# Altium PCB PCB2.PcbDoc
Units mil, origin at the board's own origin, x right, y up, seen from the top; angles counter-clockwise.
Board outline 3945.03 x 2265.03 mil, 2 copper layers (Top Layer, Bottom Layer); 107 components, 109 nets, 431 pads, 182 vias.
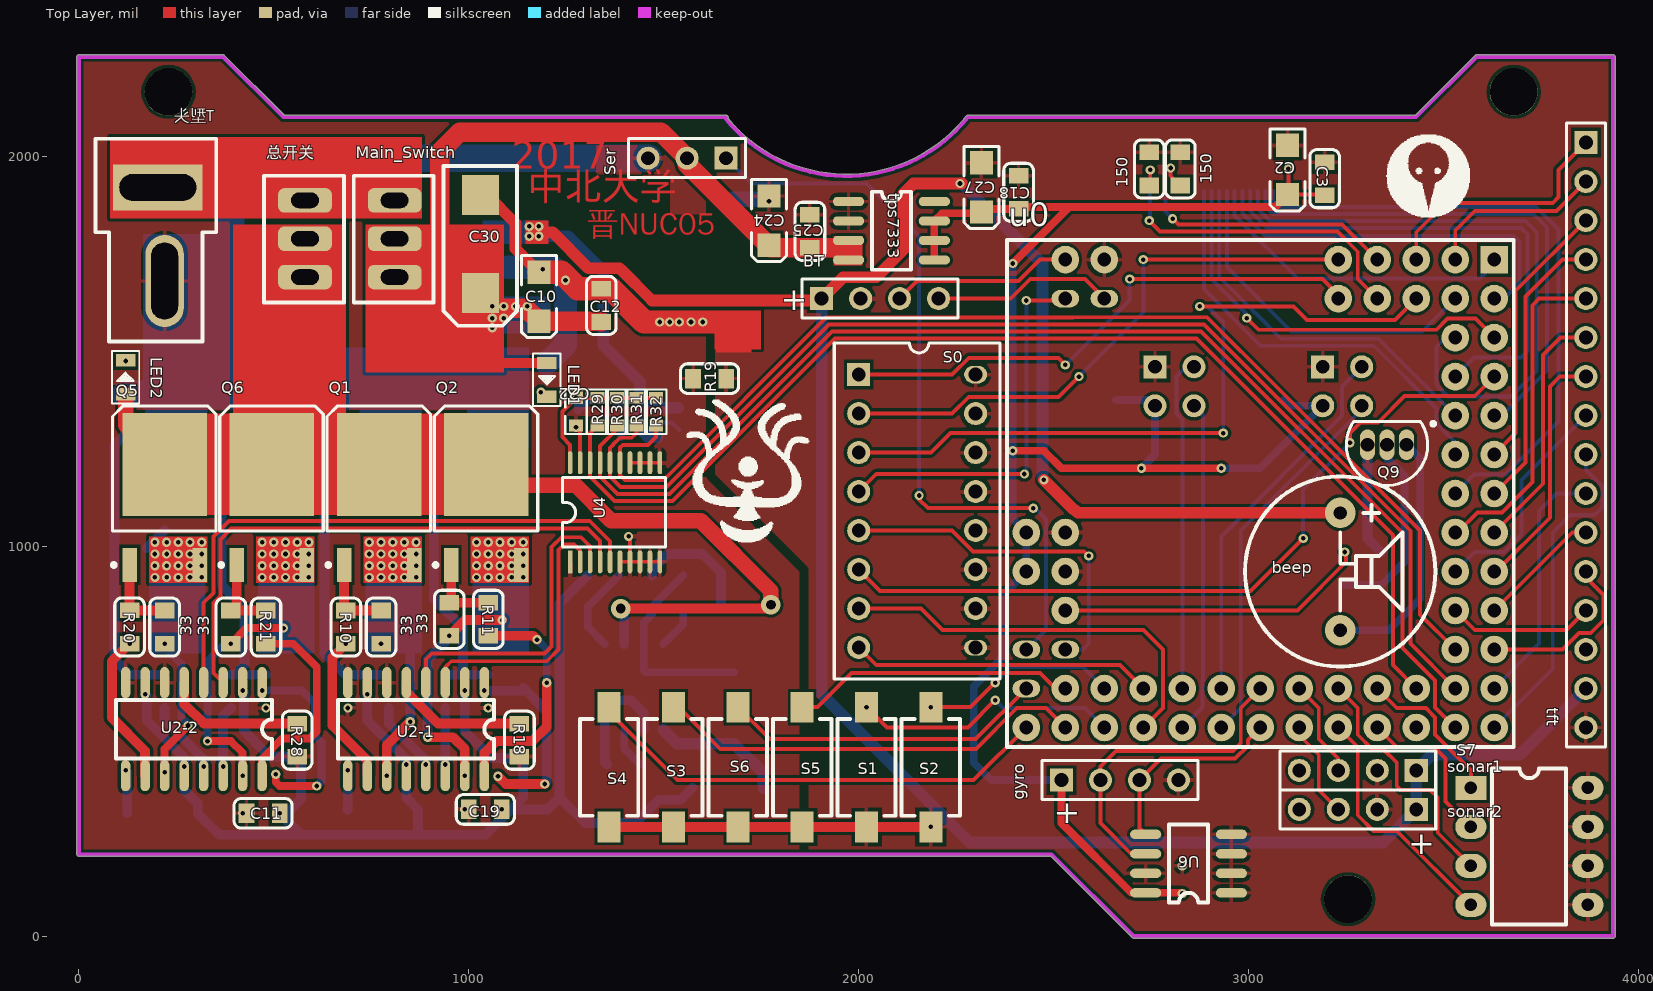
[diagram p0: Top Layer view]
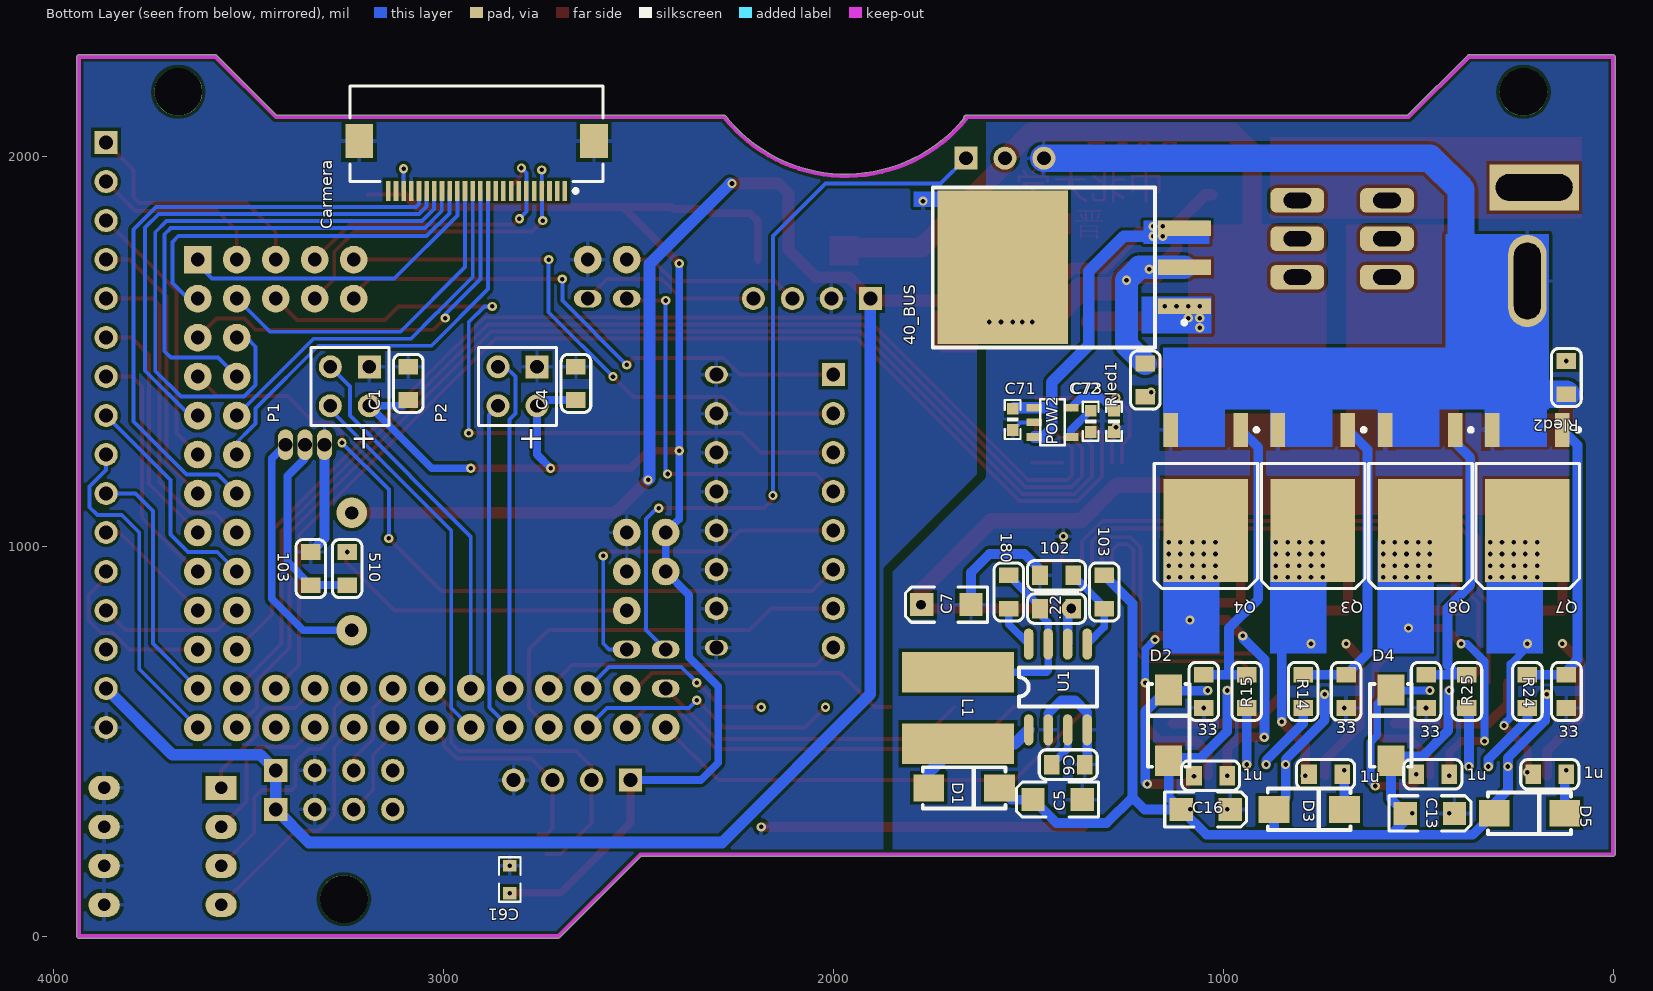
[diagram p1: Bottom Layer view, seen from below]

## Layer stack, top to bottom
Top Solder: solder mask 0.4, Solder Resist, Dk 3.5
Top Layer: signal copper 1.4
Dielectric 1: dielectric 12.6, FR-4, Dk 4.8
Bottom Layer: signal copper 1.4
Bottom Solder: solder mask 0.4, Solder Resist, Dk 3.5

## Board outline
0,204.99 cw(c0,210) -5.01,210 -5.01,2255 cw(c0,2255) 0,2260.02 370,2260.02 cw(c370,2255) 373.56,2258.53 373.55,2258.55 527.08,2105.02 1660.02,2105.02 cw(c1660.02,2100) 1665.03,2100 cw(c1660.02,2100) 1664.39,2097.55 ccw(c1967.99,2347.28) 2276.05,2103.09 ccw(c1967.99,2347.28) 2276.07,2103.11 2276.05,2103.09 cw(c2280,2100) 2280,2105.02 3427.92,2105.02 3581.45,2258.55 3581.44,2258.53 cw(c3585,2255) 3585,2260.02 3935,2260.02 cw(c3935,2255) 3940.02,2255 3940.02,0 cw(c3935,0) 3935,-5.01 2705,-5.01 cw(c2705,0) 2701.44,-3.53 2701.45,-3.55 2492.92,204.99

## Design rules (kind name [scope] priority, off if disabled: settings)
Clearance [All] p1: gap=8
PolygonConnect [All] p1: connectstyle=Relief reliefconductorwidth=10 reliefentries=4 polygonreliefangle="90 Angle" airgapwidth=10
RoutingVias [All] p1: holewidth=28 width=50 viastyle="Through Hole" minholewidth=28 minwidth=50 maxholewidth=28 maxwidth=50
SolderMaskExpansion [All] p1: expansion=4
Width [All] p1: maxlimit=200 minlimit=10 preferedwidth=20
30 further rules are at their usual default settings.

## Classes and differential pairs
component class Sheet1: 1u 33 40_BUS 102 103 150 180 510 .22 beep BT C1 C2 C3 C4 C5 C6 C7 C10 C11 C12 C13 C16 C18 C19 C22 C24 C25 C27 C30 C61 C71 C72 C73 Carmera D1 D2 D3 D4 D5 gyro L1 LED1 LED2 Main_Switch P1 P2 POW2 Q1 Q2 Q3 Q4 Q5 Q6 Q7 Q8 Q9 R10 R11 R14 R15 R18 R19 R20 R21 R24 R25 R28 R29 R30 R31 R32 Rled1 Rled2 S0 S1 S2 S3 S4 S5 S6 S7 Ser sonar1 sonar2 tft tps7333 T型头 u0 U1 U2-1 U2-2 U4 U6 总开关

## Components (designator, comment, footprint, x,y, rotation, side; value= is the part's Value field where it differs from the comment)
1u "Cap" 0805-0C 990,411.5 r0 bottom (schematic designator C14)
1u "Cap" 0805-0C 780,415 r180 bottom (schematic designator C15)
1u "Cap" 0805-0C 420,415 r0 bottom (schematic designator C20)
1u "Cap" 0805-0C 205,415 r180 bottom (schematic designator C21)
33 "Res1" 0805-0R 775,750 r90 top (schematic designator R12)
33 "Res1" 0805-0R 950,770 r90 top (schematic designator R13)
33 "Res1" 0805-0R 685,585 r90 bottom (schematic designator R16)
33 "Res1" 0805-0R 1050,585 r90 bottom (schematic designator R17)
33 "Res1" 0805-0R 220,750 r90 top (schematic designator R22)
33 "Res1" 0805-0R 390,750 r90 top (schematic designator R23)
33 "Res1" 0805-0R 120,585 r90 bottom (schematic designator R26)
33 "Res1" 0805-0R 480,585 r90 bottom (schematic designator R27)
40_BUS "LM2940" TO-263-3 1345,1715 r0 bottom
102 "1.2k" 0805-0R 1470,925 r180 bottom (schematic designator R8)
103 "10k" 0805-0r 3340,985 r270 bottom (schematic designator R5)
103 "10k" 0805-0R 1305,925 r270 bottom (schematic designator R7)
150 "150" 0805-0R 2745,1925 r90 top (schematic designator R3)
150 "150" 0805-0R 2825,1925 r90 top (schematic designator R6)
180 "180R" 0805-0R 1550,840 r90 bottom (schematic designator R4)
510 "510" 0805-0R 3246.77,985.13 r270 bottom (schematic designator R1)
.22 "0.22R" 0805-0R 1385,840 r0 bottom (schematic designator R2)
beep "Bell" bell 3235,935 r270 top
BT "bluetootl" HDR1X4 1905,1635 r0 top
C1 "Cap" 0805-0C 3090,1375 r90 bottom
C2 "" 3216-A-TA 3100,1965 r270 top
C3 "Cap" 0805-0C 3195,1985 r270 top
C4 "Cap" 0805-0C 2660,1375 r90 bottom
C5 "" 3216-A-TA 1425,350 r0 bottom
C6 "104" 0805-0C 1440,440 r180 bottom
C7 "" 3216-A-TA 1710,850 r0 bottom
C10 "" 3216-A-TA 1180,1640 r270 top
C11 "104" 0805-0C 430,315 r0 top
C12 "Cap" 0805-0C 1340,1660 r270 top
C13 "10uF" 3216-A-TA 470,315 r180 bottom
C16 "10uF" 3216-A-TA 1045,325 r180 bottom
C18 "Cap" 0805-0C 2410,1950 r270 top
C19 "104" 0805-0C 1000,325 r0 top
C22 "100nF" 0603C 1275,1345 r90 top
C24 "10uF" 3216-A-TA 1770,1835 r270 top
C25 "Cap" 0805-0C 1875,1849.9 r270 top
C27 "10uF" 3216-A-TA 2315,1920 r270 top
C30 "Cap Pol" C7343 1030,1775 r90 top
C61 "104" 0603C 2830,145 r270 bottom
C71 "104" 0603P 1540,1325 r90 bottom
C72 "470p" 0603P 1340,1320 r90 bottom
C73 "105" 0603P 1280,1320 r90 bottom
Carmera "CL586-0555-2" FH12A-24S-0.5SH 2915,1975 r0 bottom
D1 "D Schottky" DO-214 1755,380 r180 bottom
D2 "D Schottky" DO-214 1140,450 r90 bottom
D3 "D Schottky" DO-214 870,325 r180 bottom
D4 "D Schottky" DO-214 570,450 r90 bottom
D5 "D Schottky" DO-214 305,315 r180 bottom
gyro "Header 4" HDR1X4 2520,400 r0 top
L1 "Inductor" L7X7 1680,585 r270 bottom
LED1 "LED" 0805LED2 1200,1470 r270 top
LED2 "LED" 0805LED2 120,1390 r90 top
Main_Switch "开关" 乒乓开关5mm 810,1690 r90 top
P1 "Header 2X2" HDR2X2 3190,1460 r0 bottom
P2 "Header 2X2" HDR2X2 2760,1460 r0 bottom
POW2 "MIC-5219" sot23-5 1485,1355 r90 bottom
Q1 "MOSFET-N" to252 770,1125 r90 top
Q2 "MOSFET-N" to252 1045,1125 r90 top
Q3 "MOSFET-N" to252 770,1125 r270 bottom
Q4 "MOSFET-N" to252 1045,1125 r270 bottom
Q5 "MOSFET-N" to252 220,1125 r90 top
Q6 "MOSFET-N" to252 495,1125 r90 top
Q7 "MOSFET-N" to252 220,1125 r270 bottom
Q8 "MOSFET-N" to252 495,1125 r270 bottom
Q9 "NPN" TO-226-AA 3355,1260 r90 top
R10 "Res1" 0805-0R 685,835 r270 top
R11 "Res1" 0805-0R 1050,770 r90 top
R14 "Res1" 0805-0R 795,670 r270 bottom
R15 "Res1" 0805-0R 940,585 r90 bottom
R18 "Res1" 0805-0R 1130,545 r270 top
R19 "Res" 0805-0R 1575,1430 r0 top
R20 "Res1" 0805-0R 130.24,835.24 r270 top
R21 "Res1" 0805-0R 480,750 r90 top
R24 "Res1" 0805-0R 220,670 r270 bottom
R25 "Res1" 0805-0R 375,585 r90 bottom
R28 "Res1" 0805-0R 560,545 r270 top
R29 "Res2" 0603R 1330,1345 r270 top
R30 "Res2" 0603R 1380,1345 r270 top
R31 "Res2" 0603R 1430,1345 r270 top
R32 "Res2" 0603R 1480,1345 r270 top
Rled1 "4.7k" 0805-0R 1200,1383.39 r90 bottom
Rled2 "4.7k" 0805-0R 120,1475 r270 bottom
S0 "SW DIP-8" SW-DIP8 2000,1440 r270 top
S1 "Header 2" SW-SMD1 2020,280 r90 top
S2 "Header 2" SW-SMD1 2185,280 r90 top
S3 "Header 2" SW-SMD1 1525,280 r90 top
S4 "Header 2" SW-SMD1 1360,280 r90 top
S5 "Header 2" SW-SMD1 1855,280 r90 top
S6 "Header 2" SW-SMD1 1690,280 r90 top
S7 "SW DIP-4" DIP-8 3520,380 r0 top
Ser "Header 3" HDR1X3 1660,1995 r180 top
sonar1 "Header 4" HDR1X4 3430,425 r180 top
sonar2 "Header 4" HDR1X4 3430,325 r180 top
tft "HEAD1*16" HDR1X16 3865,2035 r270 top
tps7333 "TPS7333" sop8 1975,1885 r0 top
T型头 "Header 2" "T HEAD" 220,1680 r90 top
u0 "Component_1" K60_100 3630,1735 r270 top
U1 "MC34063" sop8 1500,530 r90 bottom
U2-1 "HIP4082" SOP-16 1040,650 r270 top
U2-2 "HIP4082" SOP-16 470,650 r270 top
U4 "74lvc245" TSSOP20 1260,960 r90 top
U6 "24C02" SOP8 2955,110 r180 top
总开关 "*" 乒乓开关5mm 580,1690 r90 top

## Footprints (in the part's own frame and the unit in brackets; to place one, negate y for a bottom-side part, rotate by r counter-clockwise, add the part's x,y. Pads: shape width x height; smd on the part's side, far side on the other; paste and mask are expansions set on the pad)
0603C [mm]
  rect 0.762x0.9 smd: 1(-0.9,0)
  rect 0.8x0.9 smd: 2(0.9,0)
  silkscreen extent -1.45,-0.7 1.45,0.7, body extent -0.8,-0.4 0.8,0.4, height 0.3
0603P [mil]
  rect 30x30 smd: 1(-27,0) 2(27.5,-0.06)
  silkscreen extent -50,-20 50,20
0603R [mm]
  rect 0.762x0.9 smd: 1(-0.9,0)
  rect 0.8x0.9 smd: 2(0.9,0)
  silkscreen extent -1.45,-0.7 1.45,0.7, body extent -0.85,-0.4 0.85,0.4, height 0.56
0805-0C [mil]
  rect 40x50 smd: 1(0,0) 2(85,0)
  silkscreen extent -32,-38 117,38, body extent 3,-25 82,25, height 30
0805-0R [mil]
  rect 40x50 smd: 1(0,0) 2(85,0)
  silkscreen extent -32,-38 117,38, body extent 3,-25 82,25, height 30
0805-0r [mil]
  rect 40x50 smd: 1(0,0) 2(85,0)
  silkscreen extent -32,-38 117,38, body extent 3,-25 82,25, height 30
0805LED2 [mm]
  rect 0.8x1.27 smd: 1(0,0) 2(2.2,0)
  silkscreen extent -0.6,-0.89 2.8,0.89, body extent 0.09,-0.62 2.11,0.64, height 1.1
3216-A-TA [mm]
  rect 1.524x1.5 smd: 1(1.6,0) 2(-1.6,0)
  silkscreen extent -2.67,-1.14 2.67,1.14, body extent -1.7,-0.79 1.7,0.89, height 1.71
bell [mm]
  round 2 hole 0.85: 1(-3.825,0) 2(3.825,0)
  silkscreen extent -6.2,-6.2 6.2,6.2, body extent -9.71,-6.13 5.75,5.87, height 9.65
C7343 [mm] "D型"
  rect 2.6x2.4 smd: 1(-3.202,0.007) 2(3.198,0.007)
  silkscreen extent -5.33,-2.39 5.08,2.41, body extent -3.65,-2.12 3.65,2.18, height 2.9
DIP-8 [mil]
  rect 80x62 / inner rect 100x50 / far side rect 80x62 hole 32: 1(50,0)
  oval 80x62 / inner oval 100x50 / far side oval 80x62 hole 32: 2(50,-100) 3(50,-200) 4(50,-300) 5(350,-300) 6(350,-200) 7(350,-100) 8(350,0)
  silkscreen extent 104,-350 294,50, body extent 37,-334 360,30, height 148
DO-214 [mm]
  rect 2x1.75 smd: 1(0,0) 2(4.6,0)
  silkscreen extent -0.4,-1.35 5,1.35, body extent -0.2,-1.34 4.91,1.33, height 2.12
FH12A-24S-0.5SH [mm]
  rect 0.3x1.3 smd: 1(-5.75,1.625) 2(-5.25,1.625) 3(-4.75,1.625) 4(-4.25,1.625) 5(-3.75,1.625) 6(-3.25,1.625) 7(-2.75,1.625) 8(-2.25,1.625) 9(-1.75,1.625) 10(-1.25,1.625) 11(-0.75,1.625) 12(-0.25,1.625) 13(0.25,1.625) 14(0.75,1.625) 15(1.25,1.625) 16(1.75,1.625) 17(2.25,1.625) 18(2.75,1.625) 19(3.25,1.625) 20(3.75,1.625) 21(4.25,1.625) 22(4.75,1.625) 23(5.25,1.625) 24(5.75,1.625)
  rect 1.8x2.2 smd: 25(-7.65,-1.625) 26(7.65,-1.625)
  silkscreen extent -8.25,-5.2 8.25,1.75
HDR1X3 [mm] "Connector; Header; 3 Position"
  rect 1.5x1.5 hole 0.9: 1(0,0)
  round 1.5 hole 0.9: 2(2.54,0) 3(5.08,0)
  silkscreen extent -1.27,-1.27 6.35,1.27, body extent -1.27,-1.32 6.35,1.22, height 8.54
HDR1X4 [mm] "Connector; Header; 4 Position"
  rect 1.5x1.5 hole 0.9: 1(0,0)
  round 1.5 hole 0.9: 2(2.54,0) 3(5.08,0) 4(7.62,0)
  silkscreen extent -1.27,-1.27 8.89,1.27, body extent -1.26,-1.27 8.9,1.27, height 8.54
HDR1X16 [mm] "Connector; Header; 16 Position"
  rect 1.5x1.5 hole 0.9: 1(0,0)
  round 1.5 hole 0.9: 2(2.54,0) 3(5.08,0) 4(7.62,0) 5(10.16,0) 6(12.7,0) 7(15.24,0) 8(17.78,0) 9(20.32,0) 10(22.86,0) 11(25.4,0) 12(27.94,0) 13(30.48,0) 14(33.02,0) 15(35.56,0) 16(38.1,0)
  silkscreen extent -1.27,-1.27 39.37,1.27, body extent -1.27,-1.27 39.37,1.27, height 8.54
HDR2X2 [mm] "Connector; Header; 2x2 Position"
  rect 1.5x1.5 hole 0.9: 1(0,0)
  round 1.5 hole 0.9: 2(0,2.54) 3(2.54,0) 4(2.54,2.54)
  silkscreen extent -1.27,-1.27 3.81,3.81
K60_100 [mm]
  round 1.8 hole 0.9: 3.3V(17.78,-30.48) 3.3V(20.32,-30.48) A5(22.86,-27.94) A15(27.94,-27.94) A16(30.48,-30.48) A17(30.48,-27.94) A19(27.94,-22.86) B0(27.94,-25.4) B1(30.48,-25.4) B2(27.94,-20.32) B3(30.48,-22.86) B9(27.94,-17.78) B10(30.48,-20.32) B11(30.48,-17.78) B16(27.94,-15.24) B17(30.48,-15.24) B18(27.94,-12.7) B19(30.48,-12.7) B20(30.48,-10.16) B21(27.94,-10.16) B22(30.48,-7.62) B23(27.94,-7.62) C0(30.48,-5.08) C1(27.94,-5.08) C2(30.48,-2.54) C3(27.94,-2.54) C4(25.4,-2.54) C5(22.86,-2.54) C6(25.4,0) C7(22.86,0) C8(27.94,0) C9(30.48,0) C10(20.32,-2.54) C11(20.32,0) C12(17.78,0) C13(17.78,-2.54) C14(15.24,0) C15(12.7,0) C16(15.24,-2.54) C17(10.16,0) C18(7.62,0) D0(12.7,-2.54) D1(5.08,0) D2(10.16,-2.54) D3(2.54,-2.54) D5(2.54,0) D6(7.62,-2.54) D7(5.08,-2.54) E0(0,-2.54) E1(2.54,-5.08) E2(0,-5.08) E3(2.54,-7.62) E4(0,-7.62) E5(2.54,-10.16) E6(0,-10.16) E25(0,-27.94) GND(0,-25.4) GND(17.78,-27.94) GND(20.32,-27.94)
  oval 1.143x1.8 hole 0.9: A12(25.4,-30.48) A13(25.4,-27.94) A14(27.94,-30.48) E24(2.54,-25.4) E26(2.54,-27.94)
  rect 1.8x1.8 hole 0.9: D4(0,0)
  silkscreen extent -1.27,-31.75 31.75,1.27
L7X7 [mm] "POWER INDUCTOR 5uH"
  rect 2.65x7.3 smd: 1(-2.325,0) 2(2.325,0)
  body extent -3.36,-3.33 3.34,3.37, height 2.9
sop8 [mil]
  oval 80x24 smd: 1(-1,-1) 2(-1,-51) 3(-1,-101) 4(-1,-151) 5(219,-151) 6(219,-101) 7(219,-51) 8(219,-1)
  silkscreen extent 59,-176 159,24, body extent -9,-174 229,24, height 63
SOP8 [mil]
  oval 80x24 smd: 1(-1,-1) 2(-1,-51) 3(-1,-101) 4(-1,-151) 5(219,-151) 6(219,-101) 7(219,-51) 8(219,-1)
  silkscreen extent 59,-176 159,24, body extent -9,-174 229,24, height 63
SOP-16 [mil]
  oval 80x24 smd: 1(0,0) 2(0,-50) 3(0,-100) 4(0,-150) 5(0,-200) 6(0,-250) 7(0,-300) 8(0,-350) 9(238.5,-350) 10(238.5,-300) 11(238.5,-250) 12(238.5,-200) 13(238.5,-150) 14(238.5,-100) 15(238.5,-50) 16(238.5,0)
  silkscreen extent 44,-375 194,25
sot23-5 [mm]
  rect 0.5x1 smd: 1(0,0) 2(-0.95,0) 3(-1.9,0) 4(-1.9,-2.4) 5(0,-2.4)
  silkscreen extent -2.45,-2 0.55,-0.4, body extent -2.4,-2.6 0.5,0.2, height 1.09
SW-DIP8 [mm] "DIP; 16 Leads; Row Spacing 7.62 mm; Pitch 2.54 mm"
  rect 1.5x1.5 hole 0.9: 1(0,0)
  round 1.5 hole 0.9: 2(2.54,0) 3(5.08,0) 4(7.62,0) 5(10.16,0) 6(12.7,0) 7(15.24,0) 8(17.78,0) 10(15.24,7.62) 11(12.7,7.62) 12(10.16,7.62) 13(7.62,7.62) 14(5.08,7.62) 15(2.54,7.62)
  oval 1.016x1.5 hole 0.9: 9(17.78,7.62)
  oval 1.143x1.5 hole 0.9: 16(0,7.62)
  silkscreen extent -2.05,-1.59 19.83,9.2, body extent -2.29,-1.08 20.21,8.7, height 8.25
SW-SMD1 [mm]
  rect 2x1.5 smd: 1(0,0) 2(7.8,0)
  silkscreen extent 0.73,-1.9 7.03,1.9, body extent -0.06,-1.94 7.83,1.91, height 2.5
"T HEAD" [mm]
  oval 6x2.5 hole 1.75 slot 5 at 0 deg: 1(0,0)
  rect 3x5.8 hole 1.75 slot 5 at 90 deg: 2(6.096,0.446)
  silkscreen extent -3.94,-3.36 9.27,4.51
to252 [mm] "D-PAK  / SOT-428"
  rect 2.2x0.95 smd: 1(-4.4,2.28) 3(-4.4,-2.28)
  rect 6.7x5.5 smd: 2(2.15,0)
  silkscreen extent -4.52,-3.35 5.94,3.43, body extent -4.47,-3.3 4.78,3.3, height 2.31
TO-226-AA [mm] "TO, Flat Index; 3 In-Line, Axial Leads; Body Dia. 4.8mm; Leads 0.55 x 0.51 mm (max)"
  oval 2x1 hole 0.9: 1(0,-1.27) 2(0,0) 3(0,1.27)
  silkscreen extent -2.65,-3.13 1.52,2.65, body extent -2.66,-2.66 1.52,2.66, height 5.33
TO-263-3 [mm] "D2PAK936"
  rect 3.45x1 smd: 1(-6.225,2.54) 2(-6.225,0) 3(-6.225,-2.54)
  rect 8.5x10 smd: 2(5.588,0)
  silkscreen extent -6.35,-5.21 10.16,5.21, body extent -6.82,-5.05 8.85,4.95, height 4.88
TSSOP20 [mm]
  rect 1.5x0.3 smd: 1(0,0)
  oval 1.5x0.3 smd: 2(0,-0.65) 3(0,-1.3) 4(0,-1.95) 5(0,-2.6) 6(0,-3.25) 7(0,-3.9) 8(0,-4.55) 9(0,-5.2) 10(0,-5.85) 11(6.454,-5.85) 12(6.454,-5.2) 13(6.454,-4.55) 14(6.454,-3.9) 15(6.454,-3.25) 16(6.454,-2.6) 17(6.454,-1.95) 18(6.454,-1.3) 19(6.454,-0.65) 20(6.454,0)
  silkscreen extent 0.97,-6.2 5.49,0.51, body extent -0.05,-6.22 6.5,0.38, height 1.2
乒乓开关5mm [mm]
  rrect50% 1.6x3.5 hole 1 slot 1.8 at 90 deg: 1(5,0) 2(2.5,0) 3(0,0)
  silkscreen extent -1.65,-2.54 6.6,2.67

## Part data
1u 1u 1u 1u C1 C3 C4 C12 C18 C25: "Capacitor"
33 33 33 33 33 33 33 33 R10 R11 R14 R15 R18 R19 R20 R21 R24 R25 R28 R29 R30 R31 R32: "Resistor"
102 103 180 .22: library part RES
103 150 150 510 Rled1 Rled2: library part Res
beep: "Electrical Bell"
BT: library part USB, "4 Pin Header"
C2 C5 C7 C10 C30: library part Cap, "Polarized Capacitor (Radial)"
C6: library part 普通电容, "Capacitor"
C11 C13 C16 C19 C71 C72 C73: library part C
C22 C61: library part Cap, "Capacitor"
C24 C27: library part C, "有极性电容"
Carmera: "FH12 Series, \"Flip-Lock\" SMT/ZIF FFC/FPC Connector - 0.5mm Spaced Top Contact"
D1 D2 D3 D4 D5: "Schottky Diode"
gyro sonar1 sonar2: "Header, 4-Pin"
LED1 LED2: "发光二极管"
Main_Switch 总开关: library part 乒乓开关
P1 P2: "Header, 2-Pin, Dual row"
Q1 Q2 Q3 Q4 Q5 Q6 Q7 Q8: "N-Channel MOSFET"
Q9: "NPN Bipolar Transistor"
S0 S7: "DIP Switch"
S1 S2 S3 S4 S5 S6 T型头: "Header, 2-Pin"
Ser: "Header, 3-Pin"
tft: library part "Header 16", "Header, 16-Pin"
U1 U2-1 U2-2: library part Component_1
U6: library part 24C256

## Free pads (board coordinates)
  round 122.05 hole 122.05: 0(230,2165) 0(3255,95) 0(3680,2165)

## Via types
v1: diameter 23.62, hole 11.81, Top Layer to Bottom Layer, 180 vias
v2: diameter 50, hole 25, Top Layer to Bottom Layer, 2 vias

## Nets (pads, with @x,y where several pads share a name; then routed paths per layer and width w, separated by ;. In a path a pad name is that pad's centre, name@x,y a point inside that pad or via, vN(x,y) a via of type N, cw(c..) or ccw(c..) an arc to the next point about the centre after c; other vN are vias at no path point)
3.3V_BUS: C22.2 C73.2 POW2.5 R29.1 R30.1 R31.1 R32.1 U4.20 | length 567.6
  Top Layer w10: U4.20 1260,1260 1240,1280 1240,1345.43 v1(1275,1380.43) R29.1 R30.1 R31.1 R32.1
  Bottom Layer w20: v1(1275,1380.43) 1279.94,1375.5 C73.2 1317.44,1385 1360.51,1385 POW2.5
3.3V_MCU_IN: C1.1 C2.1 C3.2 C4.1 C18.2 C27.1 C61.2 Carmera.22 gyro.1 P1.2 P2.2 tps7333.5 tps7333.6 tps7333.7 u0.3.3V U6.8 | length 4817.3
  Top Layer w10: v1(3102.01,1967.99) 3102.01,1904.01 C2.1 3192.99,1902.01 C3.2
  Top Layer w20: tps7333.5 tps7333.6 tps7333.7 2214,1854 2311.99,1854 C27.1 2322.99,1865 C18.2 2415,1870 2540,1870 ; v1(2395,1245) 2475,1245 2520,1200 v1(2725,1200) v1(2930,1200) ; v1(2395,1725) 2540,1870 ; gyro.1 2520,290 2699,111 U6.8 2828.57,111 v1(2830,109.57) ; C2.1 3067.99,1870 2540,1870
  Bottom Layer w10: v1@3100,1970 v1(3102.01,1967.99) Carmera.22
  Bottom Layer w20: v1(2395,1725) 2395,1070 2430,1035 2430,935 2370,875 2370,715 2295,640 2295,445 2340,400 gyro.1 ; C4.1 2745,1375 P2.2 2760,1235 v1(2725,1200) ; v1(2930,1200) 3030,1200 P1.2 3105,1360 C1.1
5V_BUS: 40_BUS.3 beep.1 BT.1 C71.2 POW2.1 POW2.3 sonar1.1 sonar2.1 tft.15 | length 7179.6
  Top Layer w30: 1165,1805 1215,1805 1307,1713 1386.64,1713 1389.64,1710 1390,1710 1470,1630 1900,1630 BT.1 1960,1690 2045,1690 2115,1760 2115,1905 2140,1930 v1@2265,1930 ; v1(2475,1170) 2551.57,1093.43 2554.2,1093.43 2562.05,1085.59 beep.1
  Bottom Layer w30: v1(1180,1795) 1255,1795 1345,1705 1345,1515 1440,1420 1440,1345 ; POW2.3 1459.8,1280.2 1440,1300 1440,1345 ; C71.2@1537.44,1355 POW2.1 1450,1355 1440,1345 ; BT.1 1905,620 2285,240 3345,240 sonar2.1 sonar1.1 3470,465 3695,465 tft.15 ; v1@2265,1930 2471.57,1723.43 2471.57,1173.43 v1(2475,1170)
  other v1: 1155,1795 1155,1820 1180,1820 2260,1930
BATTERY7.2: Main_Switch.1 T型头.2 总开关.1
D0: Carmera.11 u0.D0 | length 1129.2
  Bottom Layer w10: Carmera.11 2885.47,1659.44 3030.91,1514 3321,1514 3481.57,1353.43 3481.57,1314.94 3541.51,1255 3530,1255 u0.D0
D1: Carmera.12 u0.D1 | length 1042.5
  Top Layer w10: v1(2995,1585) 3025,1555 3481.51,1555 3509.94,1583.43 3581.57,1583.43 u0.D1
  Bottom Layer w10: Carmera.12 2905.16,1684.84 2995,1595 v1(2995,1585)
D2: Carmera.13 u0.D2 | length 973.1
  Bottom Layer w10: Carmera.13 2924.84,1690.61 3013,1602.46 3013,1602.09 3019.81,1595.28 3019.81,1595.19 3083,1532 3333,1532 u0.D2
D3: Carmera.14 u0.D3 | length 884.8
  Bottom Layer w10: Carmera.14 2944.53,1715.47 3110,1550 3445,1550 u0.D3
D4: Carmera.15 u0.D4 | length 822.4
  Bottom Layer w10: Carmera.15 2964.21,1848.51 3126.15,1686.57 3593.43,1686.57 3630,1723.13 u0.D4
D5: Carmera.16 u0.D5 | length 985.2
  Bottom Layer w10: Carmera.16 2984.68,1910.24 2984.68,1853.5 3043.18,1795 3680,1795 3695,1780 3695,1675 3655,1635 u0.D5
D6: Carmera.17 u0.D6 | length 1299.8
  Bottom Layer w10: Carmera.17 3004.36,1910.24 3004.36,1859.27 3047.63,1816 3700,1816 3700,1815 3715,1800 3715,1500 3698.43,1483.43 3578.43,1483.43 u0.D6
D7: Carmera.18 u0.D7 | length 1595.2
  Bottom Layer w10: Carmera.18 3024.05,1910.24 3024.05,1865.04 3055.09,1834 3710,1834 3739,1805 3739,1449.46 3672.98,1383.43 3511.57,1383.43 3481.57,1413.43 3481.57,1511.57 3505,1535 u0.D7
DB0: tft.10 u0.C8 | length 641.3
  Bottom Layer w10: u0.C8 3745,750 3745,1090 3790,1135 tft.10
DB1: tft.9 u0.C9 | length 869.2
  Bottom Layer w10: u0.C9 3780,685 3780,1035 3825,1080 3887.6,1080 3907.53,1099.93 3907.53,1152.62 3865,1195.14 tft.9
DB2: tft.8 u0.C10 | length 582.7
  Bottom Layer w10: u0.C10 3580,985 3655,985 3700,1030 3700,1170 tft.8
DB3: tft.7 u0.C11 | length 634.5
  Top Layer w10: u0.C11@3635,935 3773,1073 3773,1410 3798,1435 tft.7
DB4: tft.6 u0.C12 | length 635.4
  Top Layer w10: u0.C12 3755,1160 3755,1490 3800,1535 tft.6
DB5: tft.5 u0.C13 | length 849.2
  Top Layer w10: u0.C13 3535,1035 3586.57,1086.57 3650.06,1086.57 3728,1164.51 3728,1618 3745,1635 tft.5
DB6: tft.4 u0.C14 | length 732.5
  Top Layer w10: u0.C14 3710,1215 3710,1640 3805,1735 tft.4
DB7: tft.3 u0.C15 | length 697.3
  Top Layer w10: u0.C15 3685,1290 3685,1655 tft.3
GE1: U2-1.3 U4.2 | length 701.3
  Top Layer w10: U2-1.3 940,690 955,705 1200,705 1230,735 1230,990 1245,1005 1270,1005 1285.59,989.41 U4.2
GE2: U2-1.4 U4.3 | length 809.6
  Top Layer w10: U2-1.4 890,710 905,725 1194.54,725 1212,742.46 1212,997.46 1237.54,1023 1288,1023 1311.18,999.82 U4.3
GE3: U2-2.3 U4.4 | length 1436.6
  Top Layer w10: U2-2.3 345,675 345,854.54 363,872.54 363,1017.54 390.46,1045 1304.54,1045 1336.77,1012.77 U4.4
GE4: U2-2.4 U4.5 | length 1493.4
  Top Layer w10: U2-2.4 320,855 345,880 345,1025 384.76,1064.76 1310.24,1064.76 1362.36,1012.64 U4.5
GND: 33.1@120,585 33.1@480,585 33.1@685,585 33.1@1050,585 102.1 C5.2 C6.2 C7.2 C11.1 C13.1 C16.1 C19.1 C22.1 C71.1 C72.1 C73.1 POW2.2 Q3.3 Q4.3 Q7.3 Q8.3 R18.2 R19.1 R28.2 Rled2.2 Ser.3 T型头.1 U1.2 U1.4 U2-1.6 U2-1.8 U2-2.6 U2-2.8 U4.1 U4.6 U4.7 U4.8 U4.9 U4.10 U4.11 U4.12 U4.13 U4.14 U4.19 | length 2463.9
  Top Layer w10: C22.1 1285.59,1298.98 U4.19 ; U4.6 U4.7 ; v1(1410,1025) 1413.54,1021.46 U4.7 ; U4.14 U4.13 U4.12 U4.11 ; U4.10 U4.9 U4.8 U4.7
  Bottom Layer w10: POW2.2 1520.4,1317.6 C71.1
  Bottom Layer w25: C6.2 1349,446 U1.4 1349,574 1380,605 1415,605 1449,571 U1.2 ; 102.1 1470,940 1510,980 1600,980 1647.01,932.99 C7.2
  Bottom Layer w70: Rled2.2 175,1390 225,1440 ; 390,1705 390,1915 470,1995 Ser.3
  other v1: 420,315 990,325 480,585 690,585 1050,585 1275,1305
GND_MCU_IN: 40_BUS.2 103.1@3340,985 150.2 BT.2 C1.2 C2.2 C3.1 C4.2 C10.2 C12.1 C18.1 C24.2 C25.1 C27.2 C30.2 C61.1 Carmera.21 Carmera.25 Carmera.26 gyro.4 P1.1 P2.1 Q9.3 R19.2 Rled1.2 S0.9 S0.10 S0.11 S0.12 S0.13 S0.14 S0.15 S0.16 S1.1 S2.1 S3.1 S4.1 S5.1 S6.1 S7.5 S7.6 S7.7 S7.8 sonar1.2 sonar2.2 tft.16 tps7333.1 tps7333.2 u0.GND U6.1 U6.2 U6.3 U6.4 U6.7 | length 2297.8
  Top Layer w25: S4.1 S2.1@2175,280
  Top Layer w30: C30.2 1046.62,1900.91 1120,1827.53 1120,1762.99 C10.2
  Top Layer w60: C10.2 1237.01,1702.99 1280,1660 C12.1 1364.68,1660 1449.68,1575 v1(1490,1575) v1(1515,1575) v1(1540,1575) v1(1570,1575) v1(1600,1575) 1655,1575
  Bottom Layer w25: Q9.3 3305,1020 103.1@3340,985
  Bottom Layer w60: 40_BUS.2@1099.92,1715 1215,1715 v1(1248,1682) 1248,1516.39 Rled1.2
  other v1: 2830,180 2185,280 1190,1710 1770,1885
KEY_A: S6.2 u0.A14 | length 827.8
  Top Layer w10: S6.2 1772.09,505 2300,505 u0.A14
KEY_B: S5.2 u0.A15 | length 728
  Top Layer w10: S5.2 1894,587.09 1981.91,675 2465,675 2505,635 u0.A15
KEY_C: S4.2 u0.A16 | length 1210.5
  Top Layer w10: S4.2 1360,575 1535,400 2295,400 u0.A16
KEY_D: S3.2 u0.A17 | length 1113.6
  Top Layer w10: S3.2 1538,587.09 1645.09,480 2300.46,480 2405.46,585 2480,585 u0.A17
KEY_E: S2.2 u0.B0 | length 510.4
  Top Layer w10: v1(2185,587.09) 2287.09,587.09 v1(2350,650)
  Bottom Layer w10: v1(2350,650) 2390,690 2575,690 u0.B0
KEY_F: S1.2 u0.B1 | length 689.8
  Top Layer w10: v1(2020,587.09) 2072.37,534.72 2219.91,534.72 2220.2,535 2280,535 v1(2350,605)
  Bottom Layer w10: v1(2350,605) 2370,585 2580,585 u0.B1
MAIN_7.2: 40_BUS.1 C10.1 C12.2 C24.1 C25.2 C30.1 LED1.1 Main_Switch.2 Main_Switch.3 Ser.2 tps7333.3 tps7333.4 | length 1946.3
  Top Layer w25: 1040,1475 1045,1470 LED1.1
  Top Layer w50: 925,1780 925,2010 977,2062 1493,2062 Ser.2 1560,1980 1775,1765 1985,1765 ; C30.1 1068.66,1610 1147.01,1610 C10.1 1337.99,1577.01 C12.2
  other v1: 1060,1560 1060,1585 1090,1585 1060,1615 1090,1615 1120,1615 1150,1615
Netbeep_2: beep.2 Q9.1 | length 647.9
  Bottom Layer w20: beep.2 3359.41,784.41 3440,865 3440,1225 Q9.1
NetC6_1: C6.1 U1.3 | length 106
  Bottom Layer w20: U1.3 1399,481 C6.1
NetC14_1: 1u.1@990,411.5 33.1@950,770 Q2.3 Q4.2 U2-1.15 | length 611.4
  Top Layer w25: v1(895,510) 960,510 990,480 v1(990,411.5) ; v1(950,770) 990.5,810.5 v1(1085.5,810.5)
  Bottom Layer w25: v1(895,510) 894.5,510.5 894.5,709.5 950,765 v1(950,770)
  other v1: 1020,920 1050,920 1080,920 1110,920 1140,920 1020,950 1050,950 1080,950 1110,950 1140,950 1020,980 1050,980 1080,980 1110,980 1140,980 1020,1010 1050,1010 1080,1010 1110,1010 1140,1010
NetC14_2: 1u.2@1075,411.5 D2.2 U2-1.1 | length 507.9
  Top Layer w25: v1(1075,410) 1095,390 v1(1195,390)
  Bottom Layer w25: v1@1040,629.5 1140,629.5 1140,636.1 1200,576.1 1200,395 v1(1195,390)
  other v1: 1040,630
NetC15_1: 1u.1@780,415 33.1@775,750 Q1.3 Q3.2 U2-1.11 | length 381.6
  Top Layer w25: v1(790,411.5) 790,490 v1(850,550)
  Bottom Layer w25: 830,760 850,740 v1(850,550)
  other v1: 775,750 745,920 775,920 805,920 835,920 865,920 745,950 775,950 805,950 835,950 865,950 745,980 775,980 805,980 835,980 865,980 745,1010 775,1010 805,1010 835,1010 865,1010
NetC15_2: 1u.2@695,415 D3.2 U2-1.9 | length 100.5
  Bottom Layer w25: D3.2 690,326.1 v1(690,425)
NetC20_1: 1u.1@420,415 33.1@390,750 Q6.3 Q8.2 U2-2.15 | length 596.4
  Top Layer w20: v1(330,500) 390,500 420,470 v1(420,411.5) ; v1(390,750) 430,790 v1(525,790)
  Bottom Layer w20: v1(330,500) 330,705 332,707 332.46,707 343,717.54 343,718 375,750 v1(390,750)
  other v1: 470,920 500,920 530,920 560,920 590,920 470,950 500,950 530,950 560,950 590,950 470,980 500,980 530,980 560,980 590,980 470,1010 500,1010 530,1010 560,1010 590,1010
NetC20_2: 1u.2@505,415 D4.2 U2-2.1 | length 502.6
  Top Layer w20: v1(505,415) 505,395 515,385 v1(610,385)
  Bottom Layer w20: v1(470,630) 568.9,630 D4.2 605,596.1 605,515 622.45,497.55 622.45,397.45 v1(610,385)
NetC21_1: 1u.1@205,415 33.1@220,750 Q5.3 Q7.2 U2-2.11 | length 452.6
  Top Layer w20: U2-2.11 220,480 v1(280,540)
  Bottom Layer w20: v1(220,750) 220,740.46 263,697.46 263,561.54 280,544.54 v1(280,540)
  Bottom Layer w25: Q7.2@174.5,994.85 Q7.2
  other v1: 220,420 195,920 225,920 255,920 285,920 315,920 195,950 225,950 255,950 285,950 315,950 195,980 225,980 255,980 285,980 315,980 195,1010 225,1010 255,1010 285,1010 315,1010
NetC21_2: 1u.2@120,415 D5.2 U2-2.9 | length 111.6
  Bottom Layer w25: v1(120,425) 123.9,421.1 D5.2
NetC72_2: C72.2 POW2.4 | length 88.8
  Bottom Layer w20: C72.2 1340.96,1347.5 1390.51,1297.94 POW2.4
NetD1_1: D1.1 L1.2 U1.1 | length 340.2
  Bottom Layer w30: U1.1 1534.54,493.46 L1.2 1755,418.46 D1.1
NetL1_1: 180.2 .22.2 L1.1 U1.7 | length 518.7
  Bottom Layer w20: 180.2 1470,845 .22.2 1470,825 1449,804 U1.7 1449,681 1453.46,676.54 L1.1
NetLED1_2: LED1.2 Rled1.1
  other v1: 1185,1395
NetLED2_2: LED2.2 Rled2.1
  other v1: 120,1475
NetQ1_2: 33.2@775,835 Q1.1 R10.1 | length 208.7
  Top Layer w25: Q1.1 680.24,839.76 R10.1 33.2@775,835
NetQ2_2: 33.2@950,855 Q2.1 R11.2 | length 191.5
  Top Layer w25: Q2.1 955.24,855 R11.2
NetQ3_2: 33.2@685,670 Q3.1 R14.1 | length 761.8
  Bottom Layer w25: Q3.1 630,1247.99 630,725 685,670 R14.1@775,670
NetQ4_2: 33.2@1050,670 Q4.1 R15.2 | length 783
  Bottom Layer w25: R15.2@945,670 985,670 ; Q4.1 910,1252.99 910,865 985,790 985,670 ; 33.2@1050,670 985,670
NetQ5_2: 33.2@220,835 Q5.1 R20.1 | length 206.9
  Top Layer w25: Q5.1 R20.1 130,835 33.2@220,835
NetQ6_2: 33.2@390,835 Q6.1 R21.2 | length 208.9
  Top Layer w25: 33.2@390,835 33.2@400,835 ; Q6.1 405.24,840.24 33.2@400,835 ; R21.2 33.2@400,835
NetQ7_2: 33.2@120,670 Q7.1 R24.1 | length 750.4
  Bottom Layer w25: Q7.1 91.23,1259.22 91.23,708.77 130,670 R24.1
NetQ8_2: 33.2@480,670 Q8.1 R25.2 | length 769.1
  Bottom Layer w25: R25.2@390,670 400,670 ; Q8.1 405.24,1265.77 366.23,1226.77 366.23,899.97 425,841.21 425,695 400,670 ; 33.2@480,670 400,670
NetQ9_2: 103.2@3340,900 510.2 Q9.2 | length 496.5
  Bottom Layer w20: 510.2 3339.87,900.13 3400,960.26 3400,1180 3355,1225 Q9.2
NetR4_1: 180.1 U1.8 | length 112.1
  Bottom Layer w20: U1.8 1550,800 180.1
NetR7_2: 102.2 103.2@1305,840 U1.5 | length 227.4
  Bottom Layer w20: U1.5 1305,793 1305,840 1305,845 102.2
NetR10_2: R10.2 U2-1.10 | length 390.3
  Top Layer w25: v1(685,750) 650,715 650,540 740,450 U2-1.10
NetR11_1: R11.1 U2-1.16 | length 610
  Top Layer w25: U2-1.16 1040,470 1070.5,500.5 1163.49,500.5 1163.99,500 1200,536.01 v1(1200,650) ; R11.1 1165.5,770 v1(1175,760.5)
  Bottom Layer w20: v1(1175,760.5) 1200,735.5 v1(1200,650)
NetR14_2: R14.2 U2-1.13 | length 184.4
  Bottom Layer w25: R14.2 795,545 890,450 v1(890,440)
NetR15_1: R15.1 U2-1.14 | length 145
  Bottom Layer w25: v1(940,440) R15.1
NetR18_1: R18.1 U2-1.5 | length 347.5
  Top Layer w25: U2-1.5 840,626.04 921.04,545 R18.1
NetR20_2: R20.2 U2-2.10 | length 392.7
  Top Layer w25: v1(130.24,750.24) 85,705 85,560 170,475 U2-2.10
NetR21_1: R21.1 U2-2.16 | length 532.6
  Top Layer w20: U2-2.16 470,455 522,507 592.46,507 610,524.54 610,690 550,750 R21.1
NetR24_2: R24.2 U2-2.13 | length 191.4
  Bottom Layer w25: R24.2 220,554.31 320,454.31 v1(320,435)
NetR25_1: R25.1 U2-2.14 | length 158.3
  Bottom Layer w25: v1(370,435) 370,565 R25.1@390,585
NetR28_1: R28.1 U2-2.5 | length 365.3
  Top Layer w25: U2-2.5 270,595.69 320.69,545 R28.1
PTA5: 510.1 u0.A5 | length 791.8
  Top Layer w10: u0.A5 3125,835 3250,960 v1@3250,980
  other v1: 3246.77,985.13
PTA12: Ser.1 u0.A12 | length 1954.3
  Top Layer w10: v1(2155,1130) 2155,1119.94 2177.47,1097.47 v1(2447.53,1097.47)
  Bottom Layer w10: Ser.1 1725,1930 2020,1930 2155,1795 v1(2155,1130) ; u0.A12 2480,785 2480,1070 2452.53,1097.47 v1(2447.53,1097.47)
PTA13: S0.5 u0.A13 | length 908.1
  Top Layer w10: S0.5 2239.86,1040 2293.29,986.57 2578.43,986.57 v1(2590,975)
  Bottom Layer w10: u0.A13 2575,735 2590,750 v1(2590,975)
PTA19: S0.8 u0.A19 | length 773.5
  Top Layer w10: S0.8 2045,695 2670,695 u0.A19
PTB2: P2.3 u0.B2 | length 861.6
  Bottom Layer w10: u0.B2 2830,1325 2815,1340 2815,1435 2840,1460 P2.3
PTB3: S0.7 u0.B3 | length 1044.2
  Top Layer w10: S0.7 2160,840 2215,785 2730,785 2780,735 2780,585 u0.B3
PTB9: P1.3 u0.B9 | length 974.1
  Bottom Layer w10: u0.B9 2930,1025 3240,1335 3240,1410 P1.3
PTB10: P2.4 u0.B10 | length 856.7
  Bottom Layer w10: u0.B10 2881.57,586.57 2881.57,655.06 2883.25,656.75 2883.25,1336.75 P2.4
PTB11: P1.4 u0.B11 | length 974.1
  Bottom Layer w10: u0.B11 2980,585 2980,1040 3290,1350 P1.4
PTB16: gyro.2 u0.B16 U6.6 | length 839.3
  Top Layer w10: U6.6 2699,211 2620,290 gyro.2 2620,435 2660,475 2960,475 2980,495 2980,585 u0.B16
PTB17: gyro.3 u0.B17 U6.5 | length 570.6
  Top Layer w10: U6.5@2756,261 U6.5 2720,277 gyro.3 2775,455 2965.46,455 2998,487.54 2998,503 u0.B17 u0.B17@3030,505
PTB18: sonar1.3 u0.B18 | length 251.4
  Top Layer w10: u0.B18 3180,585 3180,505 3230,455 sonar1.3
PTB19: sonar2.3 u0.B19 | length 251.4
  Top Layer w10: u0.B19 3130,515 3180,465 3180,375 sonar2.3
PTB20: S7.4 u0.B20 | length 646
  Top Layer w10: u0.B20@3230,520 u0.B20 3280,485 3280,310 3320,270 3380,270 S7.4
PTB21: S7.3 u0.B21 | length 656.5
  Top Layer w10: u0.B21 3280,585 3280,516.51 3316.51,480 3345,480 3380,445 3380,385 3390,375 3465,375 3485,355 3485,265 S7.3
PTB22: S7.2 u0.B22 | length 410.1
  Top Layer w10: u0.B22 3380,485 3475,485 3505,455 3505,345 S7.2
PTB23: S7.1 u0.B23 | length 418.3
  Top Layer w10: u0.B23@3330,615 u0.B23 3380,585 3455,585 3460.43,579.57 3460.43,579.11 3478.43,561.11 3478.43,516.57 3570,425 S7.1
PTC0: u0.C0
PTC1: R29.2 u0.C1 U4.18 | length 3023.1
  Top Layer w10: R29.2 1311.18,1290.75 U4.18 1311.18,1178.82 1374,1116 1522.37,1116 1938.93,1532.57 2865.98,1532.57 3370,1028.54 3370,695 u0.C1
PTC2: R30.2 u0.C2 U4.17 | length 3167
  Top Layer w10: R30.2 1380,1300 1336.77,1256.77 U4.17 1336.77,1178.68 1381.46,1134 1514.91,1134 1931.48,1550.57 2878.43,1550.57 3394.54,1034.46 3394.54,738.95 3478.43,655.06 3478.43,586.57 u0.C2
PTC3: R31.2 u0.C3 U4.16 | length 3084.3
  Top Layer w10: R31.2 1430,1290 1418,1278 1387.54,1278 1370,1260.46 1370,1260 1362.36,1252.36 U4.16 1362.36,1178.55 1388.91,1152 1507.46,1152 1924.02,1568.57 2885.89,1568.57 3415,1039.46 3415,750 u0.C3
PTC4: R32.2 u0.C4 U4.15 | length 3002.4
  Top Layer w10: R32.2 1480,1280 1460,1260 1395,1260 1388,1253 U4.15 U4.15 1387.95,1182.05 1400,1170 1500,1170 1916.57,1586.57 2550.06,1586.57 2550.49,1587 2893,1587 2965.19,1514.81 2965.19,1514.72 2979.72,1500.19 2979.81,1500.19 3440,1040 3440,825 u0.C4
PTC5: tft.13 u0.C5 | length 376.4
  Top Layer w10: u0.C5 3580,785 3815,785 tft.13
PTC6: tft.12 u0.C6 | length 454.7
  Top Layer w10: u0.C6 3804.86,735 3847.38,777.53 3877.53,777.53 3910,810 3910,875 3865,920 tft.12
PTC7: tft.11 u0.C7 | length 317.8
  Top Layer w10: u0.C7 3830,1035 tft.11
PTC16: Carmera.20 u0.C16 | length 1627
  Bottom Layer w10: Carmera.20 3062.64,1877.36 3070,1870 3737.46,1870 3795,1812.46 3795,1320 3658.43,1183.43 3578.43,1183.43 u0.C16
PTC17: Carmera.19 u0.C17 | length 1333.7
  Bottom Layer w10: Carmera.19 3043.73,1910.24 3043.73,1870.81 3062.54,1852 3730,1852 3765,1817 3765,1450 3650,1335 u0.C17
PTC18: S0.6 u0.C18 | length 1968.5
  Top Layer w10: S0.6 2055,885 3005,885 v1(3140,1020) ; v1(3260,1265) 3260,1290 3287.47,1317.47 3332.53,1317.47 3400.06,1385 3580,1385 u0.C18
  Bottom Layer w10: v1(3140,1020) 3140,1145 v1(3260,1265)
PTE0: tft.2 u0.E0 | length 461.8
  Top Layer w10: u0.E0 3530,1810 3580,1860 3790,1860 tft.2
PTE1: S0.3 u0.E1 | length 1904.6
  Top Layer w10: S0.3 2185,1240 2235,1290 v1@2930,1290 ; v1(2875,1615) 3115,1615 3150,1580 3375,1580 u0.E1
  Bottom Layer w10: v1(2875,1615) 2895,1615 2935,1575 v1(2935,1290)
PTE2: tft.1 u0.E2 | length 641.3
  Top Layer w10: u0.E2 3430,1805 3505,1880 3780,1880 3795,1895 3795,1965 tft.1
PTE3: 150.1@2745,1925 Carmera.4 u0.E3 | length 880
  Top Layer w10: v1(2745,1835) 2773,1807 3228,1807 3280,1755 3280,1685 u0.E3 ; 150.1@2745,1925 2747.68,1927.68 v1(2747.68,1965)
  Bottom Layer w10: v1(2745,1835) 2746.9,1836.9 Carmera.4@2746.9,1910.24 ; Carmera.4 v1(2747.68,1965)
PTE4: 150.1@2825,1925 Carmera.6 u0.E4 | length 766.6
  Top Layer w10: v1(2800,1970) 2800,1950 150.1@2825,1925 ; v1(2805,1840) 2820,1825 3240,1825 u0.E4
  Bottom Layer w10: v1(2800,1970) 2787.05,1957.05 Carmera.6 2787.05,1857.95 v1(2805,1840)
PTE5: S0.1 u0.E5 | length 1394.8
  Top Layer w10: S0.1 2239.86,1440 2282.38,1482.53 2512.47,1482.53 v1(2530,1465) ; v1(2695,1685) 3190,1685 u0.E5@3230,1645
  Bottom Layer w10: v1(2530,1465) 2695,1630 v1(2695,1685)
PTE6: S0.2 u0.E6 | length 1472.7
  Top Layer w10: S0.2 2239.86,1340 2282.38,1382.53 2512.53,1382.53 v1(2565,1435) ; v1(2730,1735) u0.E6
  Bottom Layer w10: v1(2565,1435) 2730,1600 v1(2730,1735)
PTE24: BT.4 u0.E24 | length 466.4
  Top Layer w10: BT.4 2390,1635 2440,1685 2580,1685 u0.E24
PTE25: BT.3 u0.E25 | length 466.4
  Top Layer w10: BT.3 2150,1680 2409.54,1680 2464.54,1735 u0.E25
PTE26: S0.4 u0.E26 | length 992.8
  Top Layer w10: S0.4 2045,1185 v1(2425,1185) ; v1(2430,1630) 2525,1630 u0.E26
  Bottom Layer w10: v1(2425,1185) 2430,1190 v1(2430,1630)
SWITCH_7.2: .22.1 C7.1 LED2.1 Q1.2 Q2.2 Q5.2 Q6.2 U1.6 总开关.2 总开关.3 | length 1638.3
  Top Layer w25: v2(1390,840) 1765,840 v2(1775,850)
  Top Layer w40: LED2.1 120,1309.65 Q5.2 ; Q2.2 1045,1156.56 1273.44,1156.56 1365,1065 1595,1065 1775,885 v2(1775,850)
  Bottom Layer w25: .22.1 1399,826 U1.6
VCC20: 103.1@1305,925 C5.1 C11.2 C13.2 C16.2 C19.2 D1.2 D2.1 D3.1 D4.1 D5.1 U2-1.2 U2-1.7 U2-1.12 U2-2.2 U2-2.7 U2-2.12 | length 3723.7
  Bottom Layer w25: v1(170,620) 174.5,615.5 174.5,553.14 270,457.64 v1(270,435) 270,375 305,340 D5.1 360,260 570,260 ; v1(420,630) 423,627 423,527 489.5,460.5 533.49,460.5 543.99,450 D4.1 570,352.01 C13.2 532.99,297.01 570,260 ; v1(740,620) 740,553.33 840,453.33 v1(840,440) 840,355 D3.1 870,260 ; v1(990,630) 990,525 1058,457 1138,457 1140,455 1140,357.01 C16.2 ; v1(1085,325) C16.2 ; 103.1@1305,925 1233,853 1233,355.99 ; D1.2 1543.9,350 C5.1 1427.99,290 1298.99,290 1233,355.99 ; 570,260 870,260 ; 870,260 1042.99,260 C16.2 ; C16.2 1202.01,325 1233,355.99
  other v1: 515,315
pads on no net: Carmera.1 Carmera.2 Carmera.3 Carmera.5 Carmera.7 Carmera.8 Carmera.9 Carmera.10 Carmera.23 Carmera.24 sonar1.4 sonar2.4 tft.14 tps7333.8

## Polygon pours and split planes (outlines as drawn)
GND_MCU_IN on Top Layer "Top Layer-No Net" (solid, remove dead copper, pour order 12): 1860,135 1860,940 1620,1180 1620,2355 1625,2350 4175,2350 4185,2350 4260,2275 4080,2095 4075,2095 4075,-440 4085,-450
GND on Top Layer "Top Layer-No Net" (solid, remove dead copper, pour order 6): -180,-175 105,110 1860,110 1860,940 1620,1180 1620,2195 1605,2210 1455,2360 -95,2360
GND_MCU_IN on Bottom Layer "Top Layer-No Net" (solid, remove dead copper, pour order 10): 1860,165 1860,940 1620,1180 1620,2355 4175,2355 4255,2275 4075,2095 4075,-360
GND on Bottom Layer "Top Layer-No Net" (solid, remove dead copper, pour order 8): 1860,185 1860,940 1620,1180 1620,2315 1550,2385 1470,2465 -285,2465 -285,150 -90,-45

## Keep-outs
Keep-Out Layer:
  lines w10: 25,210 0,210 ; 1660,2095 ccw(c1967.99,2347.28) 2280,2100 3430,2100 3585,2255 3935,2255 3935,0 3470,0 2705,0 2495,210 0,210 ; 1660.02,2100 525,2100 370,2255 0,2255 0,210

## Other copper
Top Layer:
  rectangle net GND_MCU_IN: 1632.24,1496.84 1725,1520
  rectangle net GND_MCU_IN: 1630,1505 1750,1605
  rectangle net MAIN_7.2: 735,1445 1090,1825
  rectangle net SWITCH_7.2: 395,1245 685,1825
  rectangle net BATTERY7.2: 80,1840 880,2050
  rectangle net NetC14_1: 1005,905 1155,1025
  rectangle net NetC15_1: 730,905 880,1025
  rectangle net NetC20_1: 455,905 605,1025
  rectangle net NetC21_1: 180,905 330,1025
  rectangle net SWITCH_7.2: 115,1080 1150,1340
  rectangle net 5V_BUS: 1145,1775 1205,1835
  rectangle net MAIN_7.2: 1935,1720 2010,1795
  text "2017" at 1110,1945 h120
  text "中北大学" at 1150,1865 h120
  text "晋NUC05" at 1305,1780 h100
Bottom Layer:
  rectangle net 5V_BUS: 1035,1775 1205,1835
  rectangle net MAIN_7.2: 1030,1545 1210,1640
  rectangle net GND: 165,1350 430,1800
  rectangle net NetC14_1: 1010,725 1155,1015
  rectangle net NetC15_1: 735,725 880,1015
  rectangle net NetC20_1: 460,725 605,1015
  rectangle net NetC21_1: 180,725 325,1015
  rectangle net GND: 170,1350 1155,1510
  rectangle net GND: 170,1255 330,1420
  rectangle net GND: 445,1255 605,1420
  rectangle net GND: 720,1255 880,1420
  rectangle net GND: 995,1255 1155,1420
  rectangle net GND_MCU_IN: 1670,1870 1795,1910

## Silkscreen, mask and mechanical layers (free items; w line width, h text height)
Top Overlay:
  drawing of 698 lines, arcs and shapes, not listed
  text "+" at 1800,1605 h60
  text "+" at 2500,290 h60
  text "+" at 3410,210 h60
Bottom Overlay:
  text "+" at 2740,1250 h60
  text "+" at 3170,1250 h60
Bottom Solder:
  rectangle: 1010,835 1155,940
  rectangle: 740,810 880,920
  rectangle: 455,815 605,935
  rectangle: 190,810 335,990